# Altium PCB PCB_power.PcbDoc (part 2 of 2)
Units mil, origin at the board's own origin, x right, y up, seen from the top; angles counter-clockwise.
Board outline 3346.46 x 2204.72 mil, 6 copper layers (Top Layer, Layer 1, Layer 2, Layer 3, Layer 4, Bottom Layer), stack 32.112 mil thick; 134 components, 92 nets, 509 pads, 551 vias.
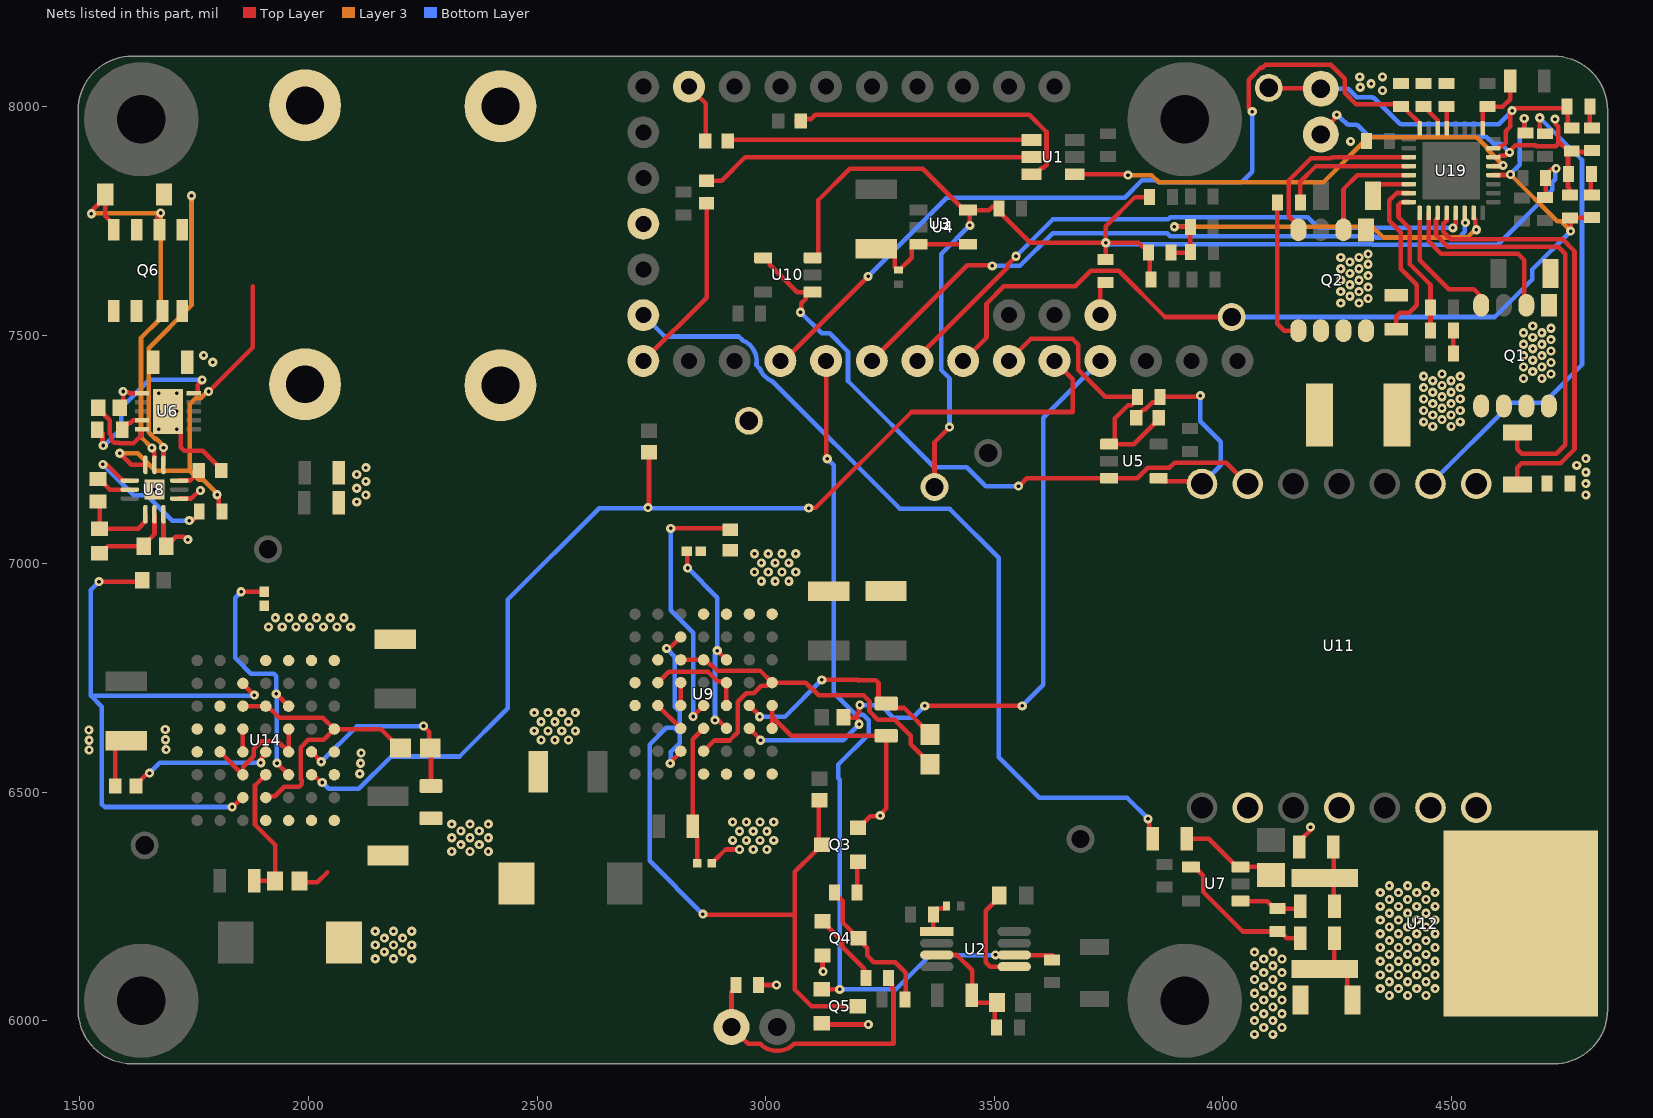
[diagram p6: the nets of this part, all layers, seen from the top]

## Via types
v1: diameter 20, hole 8, Top Layer to Bottom Layer, 475 vias
v2: diameter 20/20/20/20/20/20 (per signal layer), hole 8, Top Layer to Bottom Layer, 60 vias
v3: diameter 35.43, hole 11.81, Top Layer to Bottom Layer, 9 vias
v4: diameter 19.68, hole 7.87, Top Layer to Bottom Layer, 7 vias

## Nets (pads, with @x,y where several pads share a name; then routed paths per layer and width w, separated by ;. In a path a pad name is that pad's centre, name@x,y a point inside that pad or via, vN(x,y) a via of type N, cw(c..) or ccw(c..) an arc to the next point about the centre after c; other vN are vias at no path point) (continued)
IN2n: C6.1 J7.1 R43.1 R44.2 R45.1 U19.6 | length 1074.5
  Top Layer w10: J7.1@4215,7939 J7.1@4232.66,7956.66 ; v1(4249.9,7981.78) J7.1@4233.89,7958.15 ; U19.6@4603.27,7889.61 4605.9,7892.24 4617.63,7892.24 4625.11,7899.71 v1(4627.82,7899.71) ; v1@4625.8,7904.23 4625.97,7904.06 4630,7904.06 4640.94,7915 4685.06,7915 4686.56,7913.5 4729,7913.5 4734.15,7918.65 ; v1(4727.5,7972.5) 4729.41,7970.59 4729.41,7961.14 4734.85,7955.7 4734.85,7919.36 ; 4735.85,7923.15 4754.82,7904.19 C6.1@4754.82,7900.5 ; R45.1@4759.82,7806.5 4759.82,7819.5 4755.82,7823.5 4755.82,7860 4755.82,7899.5 C6.1@4754.82,7900.5 ; R44.2@4807.82,7903.5 4804.82,7900.5 C6.1@4754.82,7900.5 ; J7.1@4232.66,7956.66 ccw(c4225.61,7963.76) J7.1@4233.89,7958.15 ; J7.1@4232.66,7956.66 ccw(c4225.61,7963.76) J7.1@4233.89,7958.15 ; J7.1@4232.66,7956.66 ccw(c4225.61,7963.76) J7.1@4233.89,7958.15 ; J7.1@4232.66,7956.66 ccw(c4225.61,7963.76) J7.1@4233.89,7958.15 ; J7.1@4232.66,7956.66 ccw(c4225.61,7963.76) J7.1@4233.89,7958.15 ; J7.1@4232.66,7956.66 ccw(c4225.61,7963.76) J7.1@4233.89,7958.15 ; J7.1@4232.66,7956.66 ccw(c4225.61,7963.76) J7.1@4233.89,7958.15 ; J7.1@4232.66,7956.66 ccw(c4225.61,7963.76) J7.1@4233.89,7958.15
  Bottom Layer w10: v1(4249.9,7981.78) 4271.8,7962.49 ; v1(4627.82,7899.71) 4609.53,7918 4593,7918 4579.93,7931.07 ; 4271.8,7962.49 ccw(c4278.41,7970) 4278.41,7960 ; 4271.8,7962.49 ccw(c4278.41,7970) 4278.41,7960 ; 4271.8,7962.49 ccw(c4278.41,7970) 4278.41,7960 ; 4271.8,7962.49 ccw(c4278.41,7970) 4278.41,7960 ; 4271.8,7962.49 ccw(c4278.41,7970) 4278.41,7960 ; 4271.8,7962.49 ccw(c4278.41,7970) 4278.41,7960 ; 4271.8,7962.49 ccw(c4278.41,7970) 4278.41,7960 ; 4271.8,7962.49 ccw(c4278.41,7970) 4278.41,7960 ; 4278.41,7960 4290.86,7960 ; 4290.86,7960 cw(c4290.86,7950) 4297.93,7957.07 ; 4290.86,7960 cw(c4290.86,7950) 4297.93,7957.07 ; 4290.86,7960 cw(c4290.86,7950) 4297.93,7957.07 ; 4290.86,7960 cw(c4290.86,7950) 4297.93,7957.07 ; 4290.86,7960 cw(c4290.86,7950) 4297.93,7957.07 ; 4290.86,7960 cw(c4290.86,7950) 4297.93,7957.07 ; 4290.86,7960 cw(c4290.86,7950) 4297.93,7957.07 ; 4290.86,7960 cw(c4290.86,7950) 4297.93,7957.07 ; 4297.93,7957.07 4318.12,7936.88 ; 4318.12,7936.88 ccw(c4325.14,7944) 4325.08,7934 ; 4318.12,7936.88 ccw(c4325.14,7944) 4325.08,7934 ; 4318.12,7936.88 ccw(c4325.14,7944) 4325.08,7934 ; 4318.12,7936.88 ccw(c4325.14,7944) 4325.08,7934 ; 4318.12,7936.88 ccw(c4325.14,7944) 4325.08,7934 ; 4318.12,7936.88 ccw(c4325.14,7944) 4325.08,7934 ; 4318.12,7936.88 ccw(c4325.14,7944) 4325.08,7934 ; 4318.12,7936.88 ccw(c4325.14,7944) 4325.08,7934 ; 4325.08,7934 4572.86,7934 ; 4572.86,7934 cw(c4572.86,7924) 4579.93,7931.07 ; 4572.86,7934 cw(c4572.86,7924) 4579.93,7931.07 ; 4572.86,7934 cw(c4572.86,7924) 4579.93,7931.07 ; 4572.86,7934 cw(c4572.86,7924) 4579.93,7931.07 ; 4572.86,7934 cw(c4572.86,7924) 4579.93,7931.07 ; 4572.86,7934 cw(c4572.86,7924) 4579.93,7931.07 ; 4572.86,7934 cw(c4572.86,7924) 4579.93,7931.07 ; 4572.86,7934 cw(c4572.86,7924) 4579.93,7931.07
IN2p: U1.1 U19.5 | length 1034.6
  Top Layer w10: U1.1@3676.56,7852.11 3790.35,7852.11 3792.46,7850 v1(3793,7850) ; U19.5@4592.52,7869.84 4592.6,7869.92 4612.57,7869.92 v1(4613.88,7871.24)
  Layer 3 w10: v1(3793,7850) 3844.6,7850 3860.16,7834.44 3974.48,7834.44 3974.54,7834.5 4220.71,7834.5 4318.71,7932.5 4556,7932.5 4578.75,7909.75 4578.75,7906.37 v1(4613.88,7871.24)
INTVccLASER: R66.1 U9.C3 U9.C4 U9.D7 U9.G4 | length 916.2
  Top Layer w10: U9.C3@2814.5,6789.5 2868.56,6789.5 2879.35,6778.71 2881.15,6778.71 2893.86,6766 2988,6766 U9.D7@3014.5,6739.5 ; U9.G4@2864.5,6589.5 2888,6613 2921.23,6613 2939.5,6631.27 2939.5,6697.73 2957.77,6716 2974.23,6716 2990.73,6732.5 3003.44,6732.5 3010.44,6739.5 U9.D7@3014.5,6739.5 ; R66.1@3359.5,6560.94 3359.5,6562.83 3317.77,6604.56 3317.77,6623.67 3282.88,6658.57 3245.52,6658.57 3227.41,6676.67 3227.41,6699.2 3215.11,6711.5 3118.12,6711.5 3118,6711.62 3116.03,6711.62 3088.15,6739.5 U9.D7@3014.5,6739.5
INTVccTEC: R60.1 U14.C3 U14.C4 U14.D7 U14.G4 | length 645.8
  Top Layer w10: U14.C3@1856.5,6688 1910.56,6688 1922.06,6676.5 1922.45,6676.5 1935.95,6663 2031.5,6663 U14.D7@2056.5,6638 ; U14.G4@1906.5,6488 1909.37,6490.87 1926.14,6490.87 1946.77,6511.5 1979.77,6511.5 1985.62,6517.36 1985.62,6525.64 1983,6528.27 1983,6597.73 1999.77,6614.5 2033,6614.5 U14.D7@2056.5,6638 ; R60.1@2201.44,6596.5 2199.55,6596.5 2158.05,6638 U14.D7@2056.5,6638
MOSI: R53.1 U3.13 | length 135.1
  Top Layer w10: U3.13@2832.5,8043.5 2869.62,8006.38 2869.62,7926.23 R53.1@2867.89,7924.5
NetC1_1: C1.1 R1.2 U3.23 U5.1 | length 652.7
  Top Layer w10: U3.23@3532.5,7443.5 3580.5,7491.5 3671.64,7491.5 3684,7479.14 3684,7424.12 3743.12,7365 C1.1@3813.5,7365 3818.82,7365 3818.82,7364.82 3800.73,7346.73 3793.06,7346.73 3764.54,7318.22 3764.54,7268.21 3757.73,7261.4 3805.96,7261.4 3860.61,7316.05 R1.2@3860.61,7319
NetC1_2: C1.2 R1.1 U5.4 U11.7 | length 497
  Top Layer w10: R1.1@3811.39,7319 3811.39,7321.95 3825.94,7336.5 3830.06,7336.5 3846.06,7352.5 3857.5,7352.5 C1.2@3870,7365 ; U5.4@3860.13,7186.6 3866.27,7180.46 3948.87,7180.46 U11.7@3955,7174.33 ; C1.2@3863.5,7365 C1.2@3870,7365 ; v1(3951.5,7367.5) 3949,7365 C1.2@3870,7365
  Bottom Layer w10: v1(3951.5,7367.5) 3951.5,7311.5 3996,7267 3996,7215.33 U11.7@3955,7174.33
NetC2_1: C2.1 R4.2 U7.4 | length 324.8
  Top Layer w10: U7.4@3930.87,6336.4 3938.74,6336.4 3958,6317.14 3958,6281.5 4044.5,6195 C2.1@4120,6195 4125.5,6195 4140.5,6180 R4.2@4170,6180
NetC2_2: C2.2 R5.2 U7.1 | length 139.8
  Top Layer w10: U7.1@4039.13,6261.6 4097.9,6261.6 4114.5,6245 C2.2@4120,6245 4165,6245 R5.2@4170,6250
NetC4_2: C4.2 R43.2 | length 53.8
  Top Layer w10: R43.2@4805.82,7860 4805.82,7809 C4.2@4807.82,7807
NetC5_1: C5.1 R44.1 | length 45.4
  Top Layer w10: C5.1@4803.32,7997 4803.32,7958 R44.1@4807.82,7953.5
NetC7_1: C7.1 FB1.1 U4.3 U4.4 | length 269.7
  Top Layer w10: C7.1@3242.5,7689.04 3266.12,7689.04 3282.78,7672.39 3282.78,7648.75 3289.03,7642.5 FB1.1@3291,7642.5 3292.97,7642.5 3319.68,7669.21 3319.68,7691.79 3326.49,7698.6 U4.3@3334.37,7698.6 U4.4@3442.63,7698.6
NetC10_1: C10.1 FB2.1 U2.1 | length 86.4
  Top Layer w10: C10.1@3367,6232 C10.1@3370.26,6232 ; U2.1@3374.82,6194.89 3371.8,6194.89 3367,6199.69 3367,6228.74 C10.1@3370.26,6232 ; FB2.1@3395.75,6251 3395.75,6249.03 3392.88,6246.16 3384.41,6246.16 3382.76,6244.5 3374,6244.5 3373.5,6244 3373.5,6235.24 C10.1@3370.26,6232
NetC11_2: C11.2 Q6.5 Q6.6 R18.2 U6.11 | length 156.6
  Top Layer w10: v4(1712.07,7293.92) 1715.61,7293.92 1720.45,7289.08 1720.45,7254.33 1728.14,7246.65 1768.91,7246.65 1809.11,7206.45 R18.2@1809.11,7203.5
  other v4: 1672.7,7293.92 1672.7,7333.29 1712.07,7333.29 1672.7,7372.66 1712.07,7372.66
NetC16_2: C16.2 R27.2 R28.2 U2.3 | length 265.1
  Top Layer w10: U2.3@3374.82,6143.7 3418.3,6143.7 3451.9,6110.1 3451.9,6039.5 3497.6,6039.5 3501.55,6035.55 3501.55,5988.95 C16.2@3505.5,5985
NetC52_1: C52.1 R35.1 U19.9 | length 150
  Top Layer w10: U19.9@4568.9,7952.52 4568.9,7993 4575.9,8000 4612.8,8000 4629.1,8016.3 R35.1@4629.1,8056
NetC54_2: C54.2 RS1.1 U11.1 U19.28 | length 950.5
  Top Layer w10: U19.28@4490.08,7756.73 4490.08,7750.28 4483,7743.2 4483,7725.8 4499.3,7709.5 4744,7709.5 4770,7683.5 4770,7250 4740,7220 4655,7220 4645,7210 RS1.1@4645,7173
NetC55_2: C55.2 L1.1 U11.14 U19.23 | length 386.6
  Top Layer w10: C55.2@4380,7512.6 4380,7540 4388.79,7548.79 4408.79,7548.79 4425,7565 4425,7610 4390,7645 4390,7725 4365,7750 4365,7795 4380.79,7810.79 U19.23@4407.48,7810.79
  other v1: 4460,7300 4500,7300 4440,7310 4520,7310 4480,7315 4460,7325 4500,7325 4440,7335 4520,7335 4480,7340 4460,7350 4500,7350 4440,7360 4520,7360 4480,7365 4460,7375 4500,7375 4440,7385 4520,7385 4480,7390 4460,7400 4500,7400 4440,7410 4520,7410 4480,7415
NetC56_1: C56.1 R48.2 | length 57.1
  Top Layer w10: C56.1@4505,7460 R48.2@4505,7510 ; R48.2@4505,7515 R48.2@4510,7510
NetC57_1: C57.1 R48.1 U19.24 | length 339.7
  Top Layer w10: U19.24@4396.81,7791.1 U19.24@4407.48,7791.1 4407.4,7791.02 4391.02,7791.02 4385,7785 4385,7757.5 4410,7732.5 4410,7655 4455,7610 C57.1@4455,7560 R48.1@4455,7510
NetC58_2: C58.2 U19.14 | length 60.1
  Top Layer w10: C58.2@4440,8000 4470.47,7969.53 U19.14@4470.47,7952.52
NetC63_2: C63.2 U14.C5 U14.F5 | length 576.1
  Top Layer w10: v1(1852.5,6938.5) 1852.68,6938.68 1902.89,6938.68 C63.2@1903.5,6938.07 ; v1(1929.5,6715) U14.C5@1956.5,6688 1954,6688 U14.C5@1953.5,6688.5 ; v1(1931,6563.5) U14.F5@1956.5,6538
  Bottom Layer w10: v1(1852.5,6938.5) 1839.5,6925.5 1839.5,6793.5 1874,6759 1923.64,6759 1929.5,6753.14 v1(1929.5,6715) 1930.25,6714.25 1930.25,6564.25 v1(1931,6563.5)
NetC64_1: C64.1 R62.1 U14.F4 | length 315.9
  Top Layer w10: C64.1@1880.9,6306 1926.43,6306 R62.1@1926.93,6305.5 1926.93,6384.34 1883,6428.27 1883,6514.5 U14.F4@1906.5,6538 1906.5,6540.5 U14.F4@1911.26,6545.26
NetC67_1: C67.1 R60.2 U14.E6 | length 424.1
  Top Layer w10: U14.E6@2006.5,6588 v1(2028,6566.5) ; v1(2251.5,6644.5) 2264.67,6631.33 2264.67,6598.39 2268,6595.06 C67.1@2268,6513.43
  Bottom Layer w10: v1(2028,6566.5) 2106,6644.5 v1(2251.5,6644.5)
NetC70_1: C70.1 R66.2 U9.E6 | length 510.8
  Top Layer w10: U9.E6@2964.5,6689.5 2987,6667 v1(2987,6665) ; v1(3123,6745.5) 3202.5,6745.5 ; 3202.5,6744.22 3203.13,6744.85 3241.29,6744.85 3247.15,6738.99 3247.15,6703.96 3257.11,6694 C70.1@3264,6694 3273.96,6684.04 3303.41,6684.04 3359.5,6627.95 R66.2@3359.5,6626.06
  Bottom Layer w10: v1(2987,6665) 3042.5,6665 v1(3123,6745.5)
NetC71_2: C71.2 U9.C5 U9.F5 | length 460
  Top Layer w10: C71.2@2827.65,7027 2828.57,7026.07 2828.57,6991.43 v1(2829.5,6990.5) ; v1(2889.5,6657.5) 2896.5,6657.5 U9.F5@2914.5,6639.5 ; v1(2894.5,6809.5) U9.C5@2914.5,6789.5
  Bottom Layer w10: v1(2829.5,6990.5) 2894.5,6925.5 2894.5,6806.79 2889.5,6801.79 v1(2889.5,6657.5)
NetC74_1: C74.1 R70.1 U9.F4 | length 308.9
  Top Layer w10: R70.1@2850.83,6344.5 2850.83,6403.7 2840.85,6413.69 C74.1@2840.85,6425.5 2840.85,6615.85 U9.F4@2864.5,6639.5
NetD1_1: D1.1 Q6.2 Q6.4 U8.11 | length 894.5
  Top Layer w10: v1(1525,7765.5) 1526.91,7767.41 1526.91,7773.18 D1.1@1555.13,7801.4 ; D1.1@1555.13,7807.5 D1.1@1555.13,7801.4 ; Q6.4@1571.35,7733.55 Q6.4@1574,7730.9 1574,7741.73 1555.13,7760.6 D1.1@1555.13,7801.4 ; v1(1657.38,7253.17) 1657.38,7250.46 1662.92,7244.93 U8.11@1662.92,7231.8 ; Q6.2@1674,7730.9 1668.7,7736.21 1668.7,7759.2 v1(1676.5,7767)
  Layer 3 w10: v1(1525,7765.5) 1526.5,7767 v1@1675.64,7767 ; v1(1657.38,7253.17) 1633.5,7277.05 1633.5,7494.11 1676.5,7537.11 v1(1676.5,7767)
NetD1_2: D1.2 Q6.1 Q6.3 U8.10 | length 643.1
  Top Layer w10: U8.10@1682.69,7216.13 1682.69,7229.92 1682.76,7230 1682.72,7230.04 1682.72,7253.7 v1(1682.76,7253.74)
  Layer 3 w10: v1(1682.76,7253.74) 1682.76,7256.44 1678.38,7260.82 1678.38,7261.87 1667.17,7273.08 1664.06,7273.08 1650.14,7287 1650.14,7471.14 1744,7565 v1(1744,7805)
NetJ6_1: J6.1 R8.2 R10.2 | length 616.1
  Top Layer w10: R8.2@2935,6078 2935,6072.5 2925.5,6063 J6.1@2925.5,5986 2959.58,5951.92 2962.51,5948.99 2988.45,5948.99 ccw(c3025.5,5986) 3062.55,5948.99 3280,5948.99 3280,6067.14 3277,6070.14 3277,6080 R10.2@3270,6087
NetL1_2: L1.2 Q2.5 Q2.6 Q2.7 Q2.8 R46.2 | length 317.3
  Top Layer w10: R46.2@4120,7790 4120,7525 4135.23,7509.76 Q2.5@4165.95,7509.76
NetQ1_2: Q1.2 U19.26 | length 389
  Top Layer w10: U19.26@4450.79,7767.48 4450.79,7705.58 4478.87,7677.5 4646.55,7677.5 4659.91,7664.14 4659.91,7569.85 Q1.2@4664.53,7565.24
NetQ1_4: Q1.4 U19.25 | length 270.2
  Top Layer w10: U19.25@4431.1,7767.48 4431.1,7663.9 4495,7600 4550,7600 Q1.4@4565,7585
NetQ1_6,5: Q1.5 Q1.6 Q1.7 Q1.8 RS1.2 U19.27 | length 921
  Top Layer w10: U19.27@4470.39,7756.73 4467,7753.34 4467,7719.17 4492.67,7693.5 4734.5,7693.5 4750,7678 4750,7260 4730,7240 4655,7240 4645,7250 RS1.2@4645,7287 ; RS1.2@4633.24,7285.24 RS1.2@4640,7292
NetQ2_2: Q2.2 U19.21 | length 244.9
  Top Layer w10: Q2.2@4264.53,7730.24 4264.53,7819.53 4295,7850 U19.21@4407.48,7850
NetQ2_4: Q2.4 U19.19 | length 400.4
  Top Layer w10: Q2.4@4165.95,7730.24 4165.95,7739.06 4145,7760 4145,7838.21 4193.42,7886.63 4236.69,7886.63 4239.59,7889.53 U19.19@4407.48,7889.53
NetQ3_1: Q3.1 R30.1 | length 67.9
  Top Layer w10: R30.1@3200.5,6280.5 3201.09,6281.09 3201.09,6346.32 Q3.1@3202.37,6347.6
NetQ3_3: Q3.3 Q5.3 R67.2 U9.B3 U9.G3 | length 1628.4
  Top Layer w10: v1(2783.5,6814.5) 2785.41,6816.41 2791.41,6816.41 U9.B3@2814.5,6839.5 ; v1(2791.5,6563) 2791.5,6564.75 2814.5,6587.75 U9.G3@2814.5,6589.5 ; v1(2863,6233) 2864,6232 3064,6232 ; Q3.3@3116.69,6395 R67.2@3116.69,6471 ; Q3.3@3123.63,6385 3121.66,6385 3110.91,6374.25 3110.91,6372.28 3064,6325.37 3064,6232 ; Q5.3@3201.87,6031.5 3100.5,6031.5 3064,6068 3064,6232
  Bottom Layer w10: v1(2783.5,6814.5) 2801.63,6796.37 2801.63,6686.1 2812.5,6675.23 2812.5,6628.18 ; v1(2791.5,6563) 2793.05,6564.55 2793.05,6588 2812.5,6607.45 2812.5,6628.18 ; v1(2863,6233) 2746.5,6349.5 2746.5,6604.18 2782.8,6640.49 2800.2,6640.49 2812.5,6628.18
NetQ4_1: Q4.1 R10.1 | length 171.1
  Top Layer w10: Q4.1@3124.63,6217.4 3126.6,6217.4 3137.35,6206.65 3137.35,6204.69 3168,6174.03 3168,6162 3216.36,6113.64 3216.36,6090.64 R10.1@3220,6087
NetQ4_3: Q4.3 R9.1 R30.2 | length 332.2
  Top Layer w10: R30.2@3150.5,6280.5 3150.5,6275 3157.5,6268 3162.64,6268 3168.5,6262.14 3168.5,6214.87 3190.65,6192.72 3190.65,6190.75 3201.4,6180 Q4.3@3203.37,6180 ; Q4.3@3205.34,6180 3216.09,6169.25 3216.09,6165.31 3222.5,6158.9 3222.5,6142.5 3237,6128 3284,6128 3307,6105 R9.1@3307,6044
NetR2_1: R2.1 R3.2 U7.3 | length 255.5
  Top Layer w10: R2.1@3921.9,6398 3969.66,6398 4031.26,6336.4 U7.3@4039.13,6336.4 4089.39,6336.4 4098.19,6327.6 4110,6327.6 4114.27,6327.6 4130.59,6326.81 R3.2@4113.09,6324.5
NetR2_2: R2.2 U3.33 | length 2574.3
  Top Layer w10: v1(3837,6441.5) 3837,6440.96 3839.37,6438.59 3839.37,6405.73 R2.2@3847.1,6398
  Bottom Layer w10: U3.33@2732.5,7543.5 2779.13,7496.87 2941.35,7496.87 2948.65,7489.58 2950.05,7488.18 ; 3016.35,7397.42 3014.95,7398.82 ; v1(3837,6441.5) 3791,6487.5 3598.5,6487.5 3510,6576 3510,7012.8 3405.72,7117.07 3402.8,7120 3293.77,7120 3290.85,7122.93 3014.95,7398.82 ; 2950.05,7488.18 cw(c2932.5,7443.5) 2977.18,7461.05 ; 2950.05,7488.18 cw(c2932.5,7443.5) 2977.18,7461.05 ; 2950.05,7488.18 cw(c2932.5,7443.5) 2977.18,7461.05 ; 2950.05,7488.18 cw(c2932.5,7443.5) 2977.18,7461.05 ; 2950.05,7488.18 cw(c2932.5,7443.5) 2977.18,7461.05 ; 2950.05,7488.18 cw(c2932.5,7443.5) 2977.18,7461.05 ; 2950.05,7488.18 cw(c2932.5,7443.5) 2977.18,7461.05 ; 2950.05,7488.18 cw(c2932.5,7443.5) 2977.18,7461.05 ; 2977.18,7461.05 2977.81,7460.41 ccw(c2987.8,7461) 2978.28,7457.92 ; 2978.28,7457.92 cw(c2932.5,7443.5) 2980.21,7438.23 ; 2978.28,7457.92 cw(c2932.5,7443.5) 2980.21,7438.23 ; 2978.28,7457.92 cw(c2932.5,7443.5) 2980.21,7438.23 ; 2978.28,7457.92 cw(c2932.5,7443.5) 2980.21,7438.23 ; 2978.28,7457.92 cw(c2932.5,7443.5) 2980.21,7438.23 ; 2978.28,7457.92 cw(c2932.5,7443.5) 2980.21,7438.23 ; 2978.28,7457.92 cw(c2932.5,7443.5) 2980.21,7438.23 ; 2978.28,7457.92 cw(c2932.5,7443.5) 2980.21,7438.23 ; 2980.21,7438.23 2980.21,7437.71 2980.21,7433.56 2986.42,7427.35 2987.82,7425.95 ; 2987.82,7425.95 ccw(c3032.5,7443.5) 3014.95,7398.82 ; 2987.82,7425.95 ccw(c3032.5,7443.5) 3014.95,7398.82 ; 2987.82,7425.95 ccw(c3032.5,7443.5) 3014.95,7398.82 ; 2987.82,7425.95 ccw(c3032.5,7443.5) 3014.95,7398.82 ; 2987.82,7425.95 ccw(c3032.5,7443.5) 3014.95,7398.82 ; 2987.82,7425.95 ccw(c3032.5,7443.5) 3014.95,7398.82 ; 2987.82,7425.95 ccw(c3032.5,7443.5) 3014.95,7398.82 ; 2987.82,7425.95 ccw(c3032.5,7443.5) 3014.95,7398.82
NetR4_1: R4.1 R7.2 U12.3 | length 173.9
  Top Layer w10: U12.3@4229.49,6115 U12.3@4244.8,6115 ; R4.1@4244.8,6180 U12.3@4244.8,6115 ; R7.2@4284,6045 4272.99,6056.01 4272.99,6099.33 4257.32,6115 U12.3@4244.8,6115
NetR5_1: R5.1 R6.1 U12.1 | length 131
  Top Layer w10: R6.1@4242.4,6380 4243.6,6378.8 4243.6,6315 4243.6,6251.2 R5.1@4244.8,6250
NetR13_1: R13.1 U6.10 | length 378.1
  Top Layer w10: R13.1@1544.52,7290.11 1549.29,7285.33 1549.29,7260.08 v1(1550.88,7258.5) ; U6.10@1749.08,7372.66 1757.42,7372.66 1757.5,7372.74 1757.5,7391.08 1767.23,7400.8 v1(1767.23,7401.93)
  Bottom Layer w10: v1(1550.88,7258.5) 1553.47,7258.5 1589.85,7294.88 1589.85,7339.93 1651.92,7402 1767.16,7402 v1(1767.23,7401.93)
NetR13_2: R13.2 U6.4 | length 53.7
  Top Layer w10: R13.2@1592.88,7292.78 1592.88,7296.72 1601.66,7305.5 1605.6,7305.5 1608.02,7307.92 1611.06,7307.92 1616.75,7313.61 U6.4@1635.69,7313.61
NetR14_2: R14.2 U6.5 | length 166.7
  Top Layer w10: R14.2@1543.38,7335.53 1565.32,7313.59 1565.32,7284.18 1568.1,7281.4 1568.1,7270.51 1574.55,7264.07 1585.43,7264.07 1586.11,7263.39 1617.14,7263.39 1633.53,7279.78 1633.53,7293.84 1633.61,7293.92 U6.5@1635.69,7293.92
NetR15_1: R15.1 R16.2 U8.4 | length 184.1
  Top Layer w10: R15.1@1539,7135.89 1543,7131.89 R16.2@1543,7076.07 1627.11,7076.07 1643.32,7092.28 U8.4@1643.32,7107.87
NetR15_2: R15.2 U8.2 | length 82.9
  Top Layer w10: R15.2@1539,7185.11 1539,7179.2 1547.86,7179.2 1565.06,7162 U8.2@1608.87,7162
NetR16_1: R16.1 R50.2 U8.5 | length 182.6
  Top Layer w10: R16.1@1543,7022.93 1545.95,7022.93 1561.03,7038 R50.2@1639.89,7038 1639.89,7040.95 1663,7064.06 U8.5@1663,7107.87
NetR17_1: R17.1 U2.5 | length 223.9
  Top Layer w10: R17.1@3511.47,6273.5 3511.47,6269.56 3482.07,6240.16 3482.07,6127.9 3491.86,6118.11 U2.5@3544.18,6118.11
NetR18_1: R18.1 U8.9 | length 53.5
  Top Layer w10: U8.9@1717.13,7181.69 1717.21,7181.76 1741.11,7181.76 1759.89,7200.55 R18.1@1759.89,7203.5
NetR34_1: R34.1 U11.2 | length 1061.3
  Top Layer w10: v1(4694,7975.5) 4694,7945 4701,7938 R34.1@4704.5,7938
  Bottom Layer w10: U11.2@4455,7174.33 4632.67,7352 4703.5,7352 4786.5,7435 4786.5,7883 v1@4694.64,7974.86
NetR46_1: R46.1 U19.20 | length 297.2
  Top Layer w10: R46.1@4170,7790 4170,7835.5 4204.34,7869.84 U19.20@4407.48,7869.84
NetR47_2: R47.2 U3.36 | length 96.2
  Top Layer w10: R47.2@3744,7615.5 3739.5,7615.5 3732.5,7608.5 U3.36@3732.5,7543.5 3741.5,7543.5 U3.36@3747,7549
NetR49_2: R49.2 U19.13 | length 50.4
  Top Layer w10: U19.13@4490.16,7952.52 4490.16,7993 R49.2@4497.16,8000
NetR51_1: R51.1 U8.1 | length 347.2
  Top Layer w10: v1(1550,7217) 1557.96,7217 1593.2,7181.76 1600,7181.76 1600.08,7181.69 U8.1@1608.87,7181.69 ; v1(1739,7094) 1740.91,7095.91 1747.91,7095.91 1761,7109 R51.1@1761,7114.5
  Bottom Layer w10: v1(1550,7217) 1617.5,7149.5 1646.02,7149.5 1701.52,7094 v1(1739,7094)
NetR53_2: R53.2 U1.4 | length 666
  Top Layer w10: R53.2@2917.11,7924.5 2919.52,7926.91 U1.4@3582.07,7926.91
NetR54_2: R54.2 U1.6 | length 684.8
  Top Layer w10: R54.2@3067.26,7968.5 3071.12,7964.64 3079.2,7972.72 3100.03,7972.72 3109.1,7981.8 3577.19,7981.8 3614.72,7944.26 3614.72,7872.16 3608.28,7865.71 3604.53,7865.71 3590.93,7852.11 U1.6@3582.07,7852.11
NetR55_2: R55.2 U3.18 U19.16 | length 1890.4
  Top Layer w10: U3.18@3023.5,7443.5 U3.18@3032.5,7443.5 3039.5,7443.5 v1(3224.5,7628.5) ; v1(4065,7989) 4057.49,7996.51 4057.49,8059.02 4082.98,8084.51 4087.01,8084.51 4093.87,8091.37 4236.69,8091.37 4267.37,8060.69 4267.37,8030.13 4292.88,8004.62 4385.38,8004.62 R55.2@4390,8000 4395.5,8000 4402.5,7993 4402.5,7991.79 4431.1,7963.19 U19.16@4431.1,7952.52
  Bottom Layer w10: v1(3224.5,7628.5) 3396.5,7800.5 3785.79,7800.5 3823.73,7838.44 3856.16,7838.44 3860.16,7834.44 4042.04,7834.44 4065,7857.41 v1(4065,7989)
NetR57_2: R57.2 U1.5 | length 732.6
  Top Layer w10: R57.2@2871,7837.61 2904.11,7837.61 2956.01,7889.51 U1.5@3582.07,7889.51
NetR61_2: R61.2 U14.B3 U14.G3 | length 1313
  Top Layer w10: v1(1541.5,6960.5) R61.2@1636.38,6960.5 ; v1(1833,6467.5) 1834.5,6467.5 1855,6488 U14.G3@1856.5,6488 ; U14.B3@1856.5,6738 1856.5,6737.25 v2(1881.5,6712.25)
  Bottom Layer w10: v1(1541.5,6960.5) 1541.5,6960.14 1524,6942.64 1524,6710.5 ; v1(1833,6467.5) 1553.86,6467.5 1548,6473.36 1548,6686.5 1524,6710.5 ; v2(1881.5,6712.25) 1879.75,6710.5 1528,6710.5 1524,6710.5
NetR64_1: R64.1 U14.E4 | length 323
  Top Layer w10: R64.1@1622.64,6513.5 1622.64,6516.45 1647.69,6541.5 v1(1652,6541.5) ; v2(1895.75,6564.37) 1897.66,6566.28 1897.66,6575.1 1906.5,6583.94 U14.E4@1906.5,6588
  Bottom Layer w10: v1@1652.68,6542.18 1674.87,6564.37 v2(1895.75,6564.37)
NetR65_1: R65.1 U3.24 U14.F6 | length 2408.3
  Top Layer w10: U14.F6@2006.5,6538 2010.29,6538 2027.29,6521 v1(2030,6521) ; v1@2745,7123 R65.1@2745,7243.38 ; v1(3094.42,7121.29) 3094.91,7121.78 3109.28,7121.78 3319.25,7331.75 3672.28,7331.75 3672.28,7403.72 U3.24@3632.5,7443.5
  Bottom Layer w10: v1(2030,6521) 2044,6507 2110.05,6507 2181.05,6578 2330.5,6578 2436,6683.5 2436,6921.5 2635.79,7121.29 2743,7121.29 v1(3094.42,7121.29)
  other v1: 2743,7122.5
NetR68_1: R68.1 U9.E4 | length 595.8
  Top Layer w10: v1(2792.5,7077) R68.1@2923,7077 ; v1(2841.5,6665.5) 2841.5,6666.5 U9.E4@2864.5,6689.5
  Bottom Layer w10: v1(2792.5,7077) 2792.5,6897.6 2841.5,6848.6 v1(2841.5,6665.5)
NetR69_1: R69.1 U3.25 U9.F6 | length 1545.6
  Top Layer w10: U9.F6@2964.5,6639.5 2989,6615 v1(2989,6613.5) ; R69.1@3170.5,6662.5 3199.25,6662.5 ; v1(3204.72,6648.5) 3202.8,6650.41 3202.8,6658.95 3199.25,6662.5 ; v1(3206.41,6690.5) 3204.5,6688.59 3204.5,6674.75 3199.25,6669.5 3199.25,6662.5 ; v1(3348.25,6688.75) v1(3561.75,6688.75)
  Bottom Layer w10: v1(2989,6613.5) 3169.72,6613.5 v1(3204.72,6648.5) ; v1(3206.41,6690.5) 3251.56,6690.5 3279.56,6662.5 3322,6662.5 v1(3348.25,6688.75) ; v1(3561.75,6688.75) 3608,6735 3608,7319 U3.25@3732.5,7443.5
NetU3_20: U3.20 U19.30 | length 1443.5
  Top Layer w10: U3.20@3232.5,7443.5 3441.5,7652.5 3495,7652.5 v1(3496,7651.5)
  Bottom Layer w10: v1(3496,7651.5) 3556.75,7651.5 3628.25,7723 3878.8,7723 3885.8,7716 4332.41,7716 4334.91,7713.5 4517.2,7713.5 4529.5,7725.8 4529.5,7744.31 v1(4531.19,7746)
NetU3_21: U3.21 U19.29 | length 1359.8
  Top Layer w10: U3.21@3332.5,7443.5 3337,7443.5 3351.5,7458 3348.62,7460.88 3348.62,7466.58 3530.08,7648.04 3530.08,7654.53 v1(3548.05,7672.5) ; v1(4504,7734.5) 4504,7737.21 4509.76,7742.97 4509.76,7767.4 U19.29@4509.84,7767.48
  Bottom Layer w10: v1(3548.05,7672.5) 3628.55,7753 3880.8,7753 3885.8,7758 4185.96,7758 4209.46,7734.5 v1(4504,7734.5)
NetU5_3: U5.3 U10.1 U10.4 U11.6 | length 1409.9
  Top Layer w10: U10.4@2994.87,7668.9 3002.74,7668.9 3009.55,7662.09 3009.55,7654.22 3069.67,7594.1 U10.1@3095.26,7594.1 ; v1(3076.5,7550) 3078.41,7551.91 3078.41,7569.38 3088.45,7579.41 3088.45,7587.29 U10.1@3095.26,7594.1 ; U10.1@3103.13,7594.1 U10.1@3095.26,7594.1 ; v1(3553.5,7169.5) 3554.66,7169.5 3571.76,7186.6 U5.3@3751.87,7186.6 3813.47,7186.6 3836.28,7209.41 3883.2,7209.41 3894.79,7221 4008.33,7221 U11.6@4055,7174.33
  Bottom Layer w10: v1(3076.5,7550) 3122.77,7503.73 3140.15,7503.73 3180.5,7463.38 3180.5,7399.5 3368.93,7211.07 3440.43,7211.07 3482,7169.5 v1(3553.5,7169.5)
NetU9_D3: U9.D3 U9.E3 | length 50
  Top Layer w10: U9.E3@2814.5,6689.5 U9.D3@2814.5,6739.5
NetU11_9: U11.9 U11.11 U12.2 | length 21.1
  Top Layer w10: U12.2@4635,6215 U12.2@4635,6236.06
  other v1: 4365,6055 4405,6055 4445,6055 4345,6070 4385,6070 4425,6070 4465,6070 4365,6085 4405,6085 4445,6085 4345,6100 4385,6100 4425,6100 4465,6100 4365,6115 4405,6115 4445,6115 4345,6130 4385,6130 4425,6130 4465,6130 4365,6145 4405,6145 4445,6145 4345,6160 4385,6160 4425,6160 4465,6160 4365,6175 4405,6175 4445,6175 4345,6190 4385,6190 4425,6190 4465,6190 4365,6205 4405,6205 4445,6205 4345,6220 4385,6220 4425,6220 4465,6220 4365,6235 4405,6235 4445,6235 4345,6250 4385,6250 4425,6250 4465,6250 4365,6265 4405,6265 4445,6265 4345,6280 4385,6280 4425,6280 4465,6280 4365,6295 4405,6295 4445,6295
NetU14_D3: U14.D3 U14.E3 | length 50
  Top Layer w10: U14.E3@1856.5,6588 U14.D3@1856.5,6638
OUT1: C4.1 R12.1 R45.2 TPO1.1 U3.22 U19.4 | length 2054.6
  Top Layer w10: U3.22@3432.5,7443.5 3483.5,7494.5 3483.5,7568.5 3521.5,7606.5 3677.75,7606.5 3711.75,7640.5 3773,7640.5 3874,7539.5 TPO1.1@4020,7539.5 ; U19.4@4592.52,7850.16 4592.6,7850.24 4628.76,7850.24 v1(4630,7851.47) ; R12.1@4657.5,7939.5 4660,7942 v1(4660,7974) ; R45.2@4759.82,7756.5 R45.2@4761.5,7756.5 ; v1(4761.5,7727.5) R45.2@4761.5,7756.5 ; C4.1@4807.32,7756.5 4769.07,7756.5 R45.2@4761.5,7756.5
  Layer 3 w10: v1(4630,7851.47) 4732.56,7748.91 4740.49,7748.91 4761.5,7727.9 v1(4761.5,7727.5)
  Bottom Layer w10: TPO1.1@4020,7539.5 4595.5,7539.5 4677.54,7621.54 4677.54,7643.54 v1(4761.5,7727.5) ; v1(4630,7851.47) 4630,7852.83 4650,7872.83 4650,7938.98 4660,7948.98 v1(4660,7974)
OUT2: C5.2 C6.2 J7.2 TPO2.1 U19.7 | length 918.3
  Top Layer w10: TPO2.1@4101,8041 4102,8040 4214,8040 J7.2@4215,8039 ; U19.7@4603.27,7909.29 4606.95,7912.98 4611.38,7912.98 4619.27,7920.86 4619.27,7946.32 4629,7956.06 4629,7986.5 v1(4633.62,7991.12) 4634,7991.5 4636.71,7991.5 4641.71,7996.5 4749.81,7996.5 4754.82,7991.5 C6.2@4754.82,7950.5
  Bottom Layer w10: J7.2@4215,8039 4274.79,8039 4293.79,8020 4325.86,8020 ; v1(4633.62,7991.12) 4604,7961.5 4392.6,7961.5 ; 4325.86,8020 cw(c4325.86,8010) 4332.88,8017.12 ; 4325.86,8020 cw(c4325.86,8010) 4332.88,8017.12 ; 4325.86,8020 cw(c4325.86,8010) 4332.88,8017.12 ; 4325.86,8020 cw(c4325.86,8010) 4332.88,8017.12 ; 4332.89,8017.11 4385.61,7964.39 ; 4385.61,7964.39 ccw(c4392.64,7971.5) 4392.6,7961.5 ; 4385.61,7964.39 ccw(c4392.64,7971.5) 4392.6,7961.5 ; 4385.61,7964.39 ccw(c4392.64,7971.5) 4392.6,7961.5 ; 4385.61,7964.39 ccw(c4392.64,7971.5) 4392.6,7961.5 ; 4385.61,7964.39 ccw(c4392.64,7971.5) 4392.6,7961.5 ; 4385.61,7964.39 ccw(c4392.64,7971.5) 4392.6,7961.5 ; 4385.61,7964.39 ccw(c4392.64,7971.5) 4392.6,7961.5 ; 4385.61,7964.39 ccw(c4392.64,7971.5) 4392.6,7961.5
OVC: Q5.1 R26.2 U2.6 U3.19 | length 1988.1
  Top Layer w10: Q5.1@3123.13,6068.9 3123.53,6068.5 v1(3162.5,6068.5) ; U3.19@3132.5,7443.5 3132.5,7232.54 3135,7230.04 v1(3135,7229.5) ; v1(3503.07,6143.85) 3503.14,6143.78 3544.11,6143.78 3545.28,6142.6 R26.2@3627.9,6142.6
  Bottom Layer w10: v1(3135,7229.5) 3149.5,7215 3149.5,6717.71 3197.71,6669.5 3213.41,6669.5 3225.72,6657.2 3225.72,6626.71 3159.5,6560.49 3159.5,6530 3162.5,6527 v1(3162.5,6068.5) 3285.5,6068.5 3360.5,6143.5 3502.72,6143.5 v1(3503.07,6143.85)
PGND: C9.1 C11.1 C12.1 C13.1 C17.1 C18.1 C51.2 C54.1 C55.1 C58.1 C59.1 C60.1 C61.1 C63.1 C67.2 C68.1 C69.1 C70.2 C71.1 C72.1 C73.1 J2.1 Q1.1 Q2.1 Q3.2 Q4.2 Q5.2 R6.2 R7.1 R8.1 R14.1 R49.1 R50.1 R55.1 R62.2 R64.2 R68.2 R70.2 TP_PGND.1 U3.31 U6.1 U8.6 U8.7 U8.13 U9.A4 U9.A5 U9.A6 U9.A7 U9.C2 U9.D1 U9.D2 U9.D5 U9.E1 U9.E2 U9.E5 U9.E7 U9.F3 U9.F7 U9.H4 U9.H5 U9.H6 U9.H7 U11.13 U14.A4 U14.A5 U14.A6 U14.A7 U14.C2 U14.D1 U14.D2 U14.D5 U14.E1 U14.E2 U14.E5 U14.E7 U14.F3 U14.F7 U14.H4 U14.H5 U14.H6 U14.H7 U19.22 | length 1979.1
  Top Layer w10: R64.2@1577.36,6513.5 1581.3,6513.5 1577.36,6517.44 1577.36,6595.89 1594.02,6612.54 C18.1@1601,6612.54 ; C18.1@1577.36,6613.32 C18.1@1577.5,6613.46 ; R14.1@1595.7,7340.11 1594.5,7341.3 v1(1594.5,7376.5) 1596.41,7374.59 1605.5,7374.59 1607.18,7372.9 1618.94,7372.9 ; U8.6@1682.69,7107.87 1682.69,7051.7 1691.27,7043.12 1692.75,7041.64 R50.1@1696.39,7038 ; R50.1@1696.98,7038 R50.1@1696.39,7038 ; U8.7@1717.13,7142.31 1717.21,7142.39 1743.84,7142.39 1761.44,7160 v1(1763.5,7160) ; v1(1736,7052.5) 1733.29,7052.5 1727.29,7058.5 1709.61,7058.5 1702.81,7051.7 1699.85,7051.7 1689.11,7040.95 R50.1@1689.11,7038 R50.1@1696.39,7038 ; U14.E2@1806.5,6588 U14.F3@1856.5,6538 1857.56,6539.06 1857.56,6555.83 1880,6578.27 1880,6594.73 1896.77,6611.5 1933,6611.5 U14.E5@1956.5,6588 U14.D5@1956.5,6638 ; R62.2@1980.08,6305.5 1980.08,6302.55 2019.55,6302.55 2041.5,6324.5 ; U9.E2@2764.5,6689.5 U9.F3@2814.5,6639.5 ; U9.D2@2764.5,6739.5 2788,6763 2874.23,6763 2894.86,6742.37 2911.63,6742.37 U9.D5@2914.5,6739.5 U9.E5@2914.5,6689.5 ; R70.2@2882.5,6344.5 2882.5,6344.58 2886.72,6348.8 2886.8,6348.8 2912.5,6374.5 v1(2943,6374.5) ; R8.1@2985,6078 2985.1,6077.9 v1(3023.9,6077.9) ; U9.F7@3014.5,6639.5 3014.5,6664.5 ; U9.E7@3014.5,6689.5 3014.5,6664.5 ; Q5.2@3123.13,5994.1 3125.73,5991.5 v1(3225,5991.5) ; Q4.2@3124.63,6142.6 3124.63,6108.87 v1(3126,6107.5) ; Q3.2@3202.47,6422.5 Q3.2@3202.37,6422.4 3204.34,6422.4 3229.44,6447.5 3250,6447.5 v1(3251,6448.5) ; v1@3252,6447.5 3252,6452.21 3264,6464.21 C70.2@3264,6623.53 ; C70.2@3259.14,6622.98 3056.02,6622.98 3014.5,6664.5 ; R6.2@4167.6,6380 4173.5,6380 4173.5,6397.71 4192.5,6416.71 v1(4192.5,6423.5) ; C59.1@4329,7805 4329,7817.97 4341.5,7830.47 U19.22@4407.48,7830.47
  other v1: 4070,5970 4110,5970 4090,5985 4130,5985 4070,6000 4110,6000 4090,6015 4130,6015 4070,6030 4110,6030 4090,6045 4130,6045 4070,6060 4110,6060 4090,6075 4130,6075 4070,6090 4110,6090 4090,6105 4130,6105 4070,6120 4110,6120 4090,6135 4130,6135 4070,6150 4110,6150 2973,6374.5 3003,6374.5 2928,6394.5 2958,6394.5 2988,6394.5 3018,6394.5 2943,6414.5 2973,6414.5 3003,6414.5 2928,6434.5 2958,6434.5 2988,6434.5 3018,6434.5 1520,6592 1688.5,6593 1520,6613.5 1687,6614.5 2509,6614 2539,6614 2569,6614 2494,6634 2524,6634 2554,6634 2584,6634 1519.5,6636 1686.5,6637 2509,6654 2539,6654 2569,6654 2494,6674 2524,6674 2554,6674 2584,6674 1912.5,6861.5 1942.5,6861.5 1972.5,6861.5 2002.5,6861.5 2032.5,6861.5 2062.5,6861.5 2092.5,6861.5 1927.5,6881.5 1957.5,6881.5 1987.5,6881.5 2017.5,6881.5 2047.5,6881.5 2077.5,6881.5 2991,6961.5 3021,6961.5 3051,6961.5 2976,6981.5 3006,6981.5 3036,6981.5 3066,6981.5 2991,7001.5 3021,7001.5 3051,7001.5 2976,7021.5 3006,7021.5 3036,7021.5 3066,7021.5 2105.5,7135 2125.5,7150 4795,7150 2105.5,7165 4795,7175 2125.5,7180 2105.5,7195 4795,7200 2125.5,7210 4775,7215 4795,7230 4658.58,7405 4698.58,7405 4718.58,7415 4678.58,7420 4658.58,7430 4698.58,7430 4718.58,7440 1790.48,7440.66 4678.58,7445 4658.58,7455 4698.58,7455 1770.48,7455.66 4718.58,7465 4678.58,7470 4658.58,7480 4698.58,7480 4718.58,7490 4678.58,7495 4658.58,7505 4698.58,7505 4718.58,7515 4678.58,7520 4258.58,7570 4298.58,7570 4318.58,7580 4278.58,7585 4258.58,7595 4298.58,7595 4318.58,7605 4278.58,7610 4258.58,7620 4298.58,7620 4318.58,7630 4278.58,7635 4258.58,7645 4298.58,7645 4318.58,7655 4278.58,7660 4258.58,7670 4298.58,7670 4318.58,7677.5 4280.26,7923.74 4350,8035 4301.24,8042.24 4325,8050 4300,8065 4350,8065
  other v2: 2146,6135.5 2186,6135.5 2226,6135.5 2166,6150.5 2206,6150.5 2146,6165.5 2186,6165.5 2226,6165.5 2166,6180.5 2206,6180.5 2146,6195.5 2186,6195.5 2226,6195.5 2313.5,6370 2353.5,6370 2393.5,6370 2333.5,6385 2373.5,6385 2313.5,6400 2353.5,6400 2393.5,6400 2333.5,6415 2373.5,6415 2313.5,6430 2353.5,6430 2393.5,6430 2112,6540.2 2114.13,6563.07 2115.13,6585.57
  other v4: 1663,7162
SCK: R57.1 U3.15 | length 412.1
  Top Layer w10: U3.15@2732.5,7443.5 2871,7582 R57.1@2871,7798.24
VIN: J1.1 Q6.7 Q6.8 R51.2 U8.12 | length 827.8
  Top Layer w10: v1(1587,7241.5) 1612.37,7216.13 U8.12@1643.32,7216.13 ; v1(1781.5,7376.5) 1878.5,7473.5 1878.5,7606.23 ; v1(1800,7150.5) 1800,7147.79 1804,7143.79 1804,7127 1811,7120 R51.2@1811,7114.5
  Layer 3 w10: v1(1587,7241.5) 1626.35,7241.5 1664.85,7203 1740.5,7203 ; v1(1781.5,7376.5) 1778.79,7376.5 1764.22,7361.93 1753.64,7361.93 1740.5,7348.79 1740.5,7203 ; v1(1800,7150.5) 1800,7153.2 1769.64,7183.56 1759.94,7183.56 1740.5,7203
Vlim: C53.1 R36.1 R37.2 U19.31 | length 839.6
  Top Layer w10: R36.1@3887.5,7680.5 3929,7680.5 C53.1@3930,7681.5 3929.75,7681.75 3929.75,7736.25 3929,7737 v1(3894.5,7737) ; U19.31@4549.29,7756.73 4552.98,7753.05 4552.98,7735.48 4555.25,7733.21 v1(4555.25,7730.5)
  Layer 3 w10: v1(3894.5,7737) 4327.81,7737 4351.31,7713.5 4535.54,7713.5 4552.54,7730.5 v1(4555.25,7730.5)
VREF_2.5: C8.1 R11.2 R32.2 R36.2 R38.2 R40.2 R47.1 TPO_VREF.1 U4.5 U10.3 | length 3029
  Top Layer w10: U10.3@3103.13,7668.9 3109,7668.9 3115.81,7675.71 3115.81,7795.51 3184.3,7864 3344.16,7864 3434.76,7773.4 U4.5@3442.63,7773.4 U4.5@3449.5,7773.4 ; TPO_VREF.1@3369.71,7167.56 3369.71,7265.71 v1(3402.5,7298.5) ; v1(3447,7740) 3447,7770.9 U4.5@3449.5,7773.4 ; C8.1@3506,7781 3496.5,7781 3488.9,7773.4 U4.5@3449.5,7773.4 ; C8.1@3510.5,7782 C8.1@3510.5,7776.5 3510.5,7771 3579.5,7702 v1(3744.5,7702) ; R47.1@3744,7665.5 3744.5,7666 v1(3744.5,7702) ; R38.2@3840,7802.5 3839.5,7802 3808.5,7802 3744.5,7738 v1(3744.5,7702) ; R40.2@3843.31,7621.83 3840.4,7624.73 3840.4,7677.6 R36.2@3837.5,7680.5 3837.5,7686 3830.5,7693 3825,7693 3816,7702 v1(3744.5,7702) ; R32.2@4704,7808.5 4707,7811.5 4707,7849.5 4719.97,7862.47 4727.9,7862.47 v1(4729.82,7864.38)
  Bottom Layer w10: v1(3402.5,7298.5) 3402.5,7405.62 3384.5,7423.62 3384.5,7677.5 v1(3447,7740) ; v1(3744.5,7702) v1@3749.95,7696.55 ; 3755.07,7698.5 4327.28,7698.5 4328.28,7697.5 4601.71,7697.5 4721.62,7817.4 4721.62,7833.82 4721.68,7834.37 4727.9,7840.59 4727.9,7862.47 v1(4729.82,7864.38)
pads on no net: U3.5 U3.6 U3.7 U3.8 U3.9 U3.10 U3.11 U3.14 U3.16 U3.17 U3.28 U3.29 U3.32 U3.34 U3.35 U4.1 U6.2 U6.3 U8.3 U8.8 U9.A3 U9.B4 U9.C6 U9.D4 U9.D6 U9.H3 U11.3 U11.4 U11.8 U11.12 U14.A3 U14.B4 U14.C6 U14.D4 U14.D6 U14.H3 U19.8 U19.10 U19.11 U19.15

## Polygon pours and split planes (outlines as drawn)
5V on Layer 2 "5V_L03_P453" (solid, pour order 453): 1787.59,6153 1732.5,6153 1511.09,6279.23 1511.09,7590.5 2726.18,7590.5 3207.59,8071.91 4799,8071.91 4825.5,7401.41 3471.09,7400.41 3471.09,6938.91 2291.09,6938.91 2252.59,6977.41 2252.59,7269.91 1793.09,7269.91 1787.59,7275.41 1787.59,6202.91
12V on Layer 2 "12V_L03_P406" (solid, pour order 406): 3595,7165 3495,7165 3495,6930 2096.12,6930 2097.25,7248 1819.07,7248 1840.38,6474.32 2968.04,6461.27 2976.8,5924.93 3605,5924.93 3605,6500 3595,6500
2V2R on Layer 2 "2V2R_L03_P409" (solid, pour order 409): 3560,6320 3560,6185 3560,6125 3795,6125 3870,6200 4110,6200 4195,6285 4195,6485 4175,6505 3620,6505 3620,6320
3V3 on Layer 2 "3V3_L03_P405" (solid, pour order 405): 3796.5,7486.5 3641.5,7300.5 3641.5,7161.5 3649.55,7153.45 4027.79,7153.45 4025,7156.25 4025,7325 3960,7390 3934.5,7390 3884.5,7440 3884.5,7471 3869,7486.5
12V on Top Layer "12V_L01_P444" (solid, pour order 444): 2894.5,6855.5 2894.5,6817 2999.5,6817 3000,6817.5 3000,6769 3457.5,6769 3457.5,6850.37
5V on Top Layer "5V_L01_P427" (solid, pour order 427): 1778.44,6563.94 1778.44,6514.74 1817.42,6514.24 1815.92,6231.12 1899.04,6225.76 1896.5,6103.5 1785,6105 1673.5,6200.5 1673.5,6563.5
PGND on Top Layer "PGND_L01_P433" (solid, pour order 433): 1826.51,6700.32 1786.32,6700.32 1784,6698 1784,6652 1539.5,6652 1510,6652 1510,6575.5 1827.5,6575.5
12V on Top Layer "12V_L01_P419" (solid, pour order 419): 1706.5,7366 1707,7365.5 1707,7270 1780.69,7196.31 1827.25,7150.75 1952.25,7150.06 1952.75,7105 2013.5,7105 2013.5,7281.5 1916.5,7281.5 1832.5,7365.5 1826.5,7365.5
NetD1_2 on Top Layer "NETD1_2_L01_P416" (solid, pour order 416): 1758.26,7690.5 1758.26,7810.15 1748,7820.4 1594,7820.4 1594,7692.9 1656.9,7692.9 1656.9,7778.9 1696,7778.9 1696,7690.5
2V2 on Top Layer "2V2_L01_P457" (solid, pour order 457): 3663,6081 3664,6080 3775,6080 3781,6074 3781,5929.5 3780,5928.5 3639,5928.5 3633,5934.5 3633,6011 3662.5,6040.5 3662.5,6081
2V2R on Top Layer "2V2R_L01_P456" (solid, pour order 456): 3719.5,6134.03 3719.97,6134.5 3767.5,6134.5 3796,6163 3796,6293.5 3787.5,6302 3655.5,6302 3637,6283.5 3637,6201.5 3704.47,6134.03
12V on Top Layer "12V_L01_P435" (solid, pour order 435): 1945.5,6753.45 2311.5,6753.45 2311.5,6664.45 2049,6664.45 2039.5,6673.95 2039.5,6714.95 1949.5,6714.95 1946,6718.45
PGND on Top Layer "PGND_L01_P448" (solid, pour order 448): 3034.5,6555.5 3033.5,6554.5 2852,6554.5 2852,6517 2852,6508.5 2852,6506.5 2879.5,6505.5 2879.5,6400 2961,6318.5 3036,6318.5
PGND on Top Layer "PGND_L01_P446" (solid, pour order 446): 2788.5,6674 2786.12,6671.62 2615.5,6671.62 2615.5,6613 2497.79,6495.29 2479,6495.29 2479,6740 2479,6749.5 2747.5,6755.5 2747.5,6803.5 2749,6805 2751,6803 2785.5,6803
2V2 on Top Layer "2V2_L01_P440" (solid, pour order 440): 2783.5,6814.5 2737,6814.5 2737,6762 2481.5,6762 2482,6762.5 2482,6985.5 2781,6985.5 2781.5,6985
PGND on Top Layer "PGND_L01_P428" (solid, pour order 428): 1889.97,6460.5 2226.5,6460.5 2230.5,6456.5 2516.5,6456.5 2516.5,6071 2025.5,6071 2025.5,6411.5 1890.6,6411.5
5V on Top Layer "5V_L01_P426" (solid, pour order 426): 1831,6871 1831,6711 1779,6711 1779,6666.5 1540,6666.5 1536,6670.5 1536,6871
PGND on Top Layer "PGND_L01_P441" (solid, pour order 441): 3033.37,6868.97 3032.84,6869.5 2851,6869.5 2851,7042.82 2848.81,7045.01 2849.3,7045.5 3347,7045.5 3347,6869 3347.5,6868.5
2V2 on Top Layer "2V2_L01_P439" (solid, pour order 439): 2733,6658 2734.5,6610 2775,6608.5 2775,6229 2642.5,6229 2642.5,6658
12V on Top Layer "12V_L01_P445" (solid, pour order 445): 2898,6611.14 3249.5,6605.5 3248.5,6504.5 3080.5,6504.5 3068,6517 3068,6562.5 2898,6562.5
12V on Top Layer "12V_L01_P436" (solid, pour order 436): 1939.5,6503 2152.96,6502.25 2152,6560.21 2221.5,6560.21 2221.5,6467.5 1939.5,6467.5
PGND on Top Layer "PGND_L01_P425" (solid, pour order 425): 1888,6771.5 1887,6772.5 1887,6915.5 2261,6915.5 2261,6771.96
PGND on Top Layer "PGND_L01_P420" (solid, pour order 420): 1715.88,7407.71 1800.48,7407.71 1800.48,7467.71 1718.88,7467.71 1716.88,7465.71
PGND on Top Layer "PGND_L01_P431" (solid, pour order 431): 2039,6606.5 2039,6521 2121.5,6521 2138.5,6521 2138.5,6605.9
5V on Top Layer "5V_L01_P432" (solid, pour order 432): 2086.5,6571.5 2085,6570 2073,6570
PGND on Top Layer "PGND_L01_P378" (solid, pour order 378): 2260,7081 2039,7081 2039,7245 2260,7245 2260,7095
NetC11_2 on Top Layer "NETC11_2_L01_P418" (solid, pour order 418): 1523,7681 1523,7399.11 1656.08,7399.11 1656.08,7280.5 1725.93,7280.5 1722.17,7457.11 1648,7457.11 1646,7679
VIN on Top Layer "VIN_L01_P417" (solid, pour order 417): 2493.5,8070.5 2483,8081 2177,8081 1776,7680 1720.5,7680 1718.5,7678 1661.41,7678 1661.41,7483.34 1790.34,7483.34 1865,7558 1997.5,7558 2260.5,7295 2488.5,7295
AGND on Top Layer "AGND_L01_P415" (solid, pour order 415): 4549,7980 4520,7980 4516,7984 4516,8080 4517,8079 4599.5,8079 4603,8075.5 4603,8033.5 4595.67,8026.17 4549.21,8026.17
PGND on Top Layer "PGND_L01_P382" (solid, pour order 382): 4735,7666.5 4735,7390 4730,7385 4655,7385 4650,7385 4645,7390 4645,7525 4650,7530 4685,7530 4695,7540 4695,7666.5
PGND on Top Layer "PGND_L01_P390" (solid, pour order 390): 4785,7240 4805,7240 4805,7135 4740,7135 4740,7200 4745,7200
PGND on Top Layer "PGND_L01_P389" (solid, pour order 389): 4295,8075 4504.03,8075 4509.03,8069.11 4509.03,8030.89 4504.03,8025 4295,8025 4290,8030 4290,8070
PGND on Top Layer "PGND_L01_P400" (solid, pour order 400): 4330,7945 4330,7905 4270,7905 4270,7945
PGND on Top Layer "PGND_L01_P398" (solid, pour order 398): 4190,6080 4140,6080 4140,6165 4060,6165 4060,5945 4190,5945
NetU11_9 on Top Layer "NETU11_9_L01_P396" (solid, pour order 396): 4335,6025 4325,6035 4325,6350 4255,6420 4240,6420 4215,6445 4215,6485 4235,6505 4280,6505 4310,6475 4310,6450 4355,6405 4800,6405 4805,6400 4805,6030 4800,6025
NetR4_1 on Top Layer "NETR4_1_L01_P397" (solid, pour order 397): 4260,6140 4260,6210 4230,6210 4230,6140 4150,6140 4150,6090 4200,6090 4200,6015 4315,6015 4315,6140
NetC54_2 on Top Layer "NETC54_2_L01_P388" (solid, pour order 388): 4605,7200 4590,7215 4540,7215 4515,7190 4515,7155 4535,7135 4730,7135 4730,7200
5V on Top Layer "5V_L01_P387" (solid, pour order 387): 4395,7905 4395,7955 4355,7995 4315,7995 4295,7975 4295,7960 4300,7955 4335,7955 4340,7950 4340,7905
5V on Top Layer "5V_L01_P386" (solid, pour order 386): 4781.5,8031 4661.5,8031 4661.5,8091 4750.5,8091 4781.5,8060
5V on Top Layer "5V_L01_P383" (solid, pour order 383): 4636.42,7666.5 4636.42,7390 4631.42,7385 4556.42,7385 4551.42,7385 4546.42,7390 4546.42,7525 4551.42,7530 4586.42,7530 4596.42,7540 4596.42,7666.5
NetQ1_6,5 on Top Layer "NETQ1_6,5_L01_P379" (solid, pour order 379): 4730,7265 4735,7270 4735,7370 4730,7375 4550,7375 4545,7370 4545,7270 4550,7265
5V on Top Layer "5V_L01_P380" (solid, pour order 380): 4195,7840 4195,7700 4190,7695 4145,7695 4140,7690 4140,7555 4145,7550 4230,7550 4235,7555 4235,7840
PGND on Top Layer "PGND_L01_P381" (solid, pour order 381): 4245,7555 4250,7550 4335,7550 4340,7550 4355,7565 4405,7565 4410,7570 4410,7605 4375,7640 4375,7720 4350,7745 4350,7840 4305,7840 4295,7830 4295,7700 4290,7695 4250,7695 4245,7690
NetC55_2 on Top Layer "NETC55_2_L01_P384" (solid, pour order 384): 4530,7280 4535,7285 4535,7425 4530,7430 4415,7430 4410,7435 4410,7530 4350,7530 4350,7280
NetL1_2 on Top Layer "NETL1_2_L01_P385" (solid, pour order 385): 4330,7280 4335,7285 4335,7535 4330,7540 4145,7540 4140,7535 4140,7320 4180,7280
3V3 on Layer 3 "3V3_L04_P422" (solid, pour order 422): 2657,8092.5 2667,8082.5 4155,8082.5 4107.5,8035 4107.5,7402 4092,7386.5 2668,7386.5
2V2 on Layer 3 "2V2_L04_P455" (solid, pour order 455): 3781,5929.5 3784.5,6146.29 2773.5,6146.29 2769,7044 2763,7050 2493,7050 2493,5923.71
5V on Layer 3 "5V_L04_P421" (solid, pour order 421): 3362,7364 3103,7364 3103,6170 4293,6170 4293,6297 3362,6297
NetC55_2 on Layer 3 "NETC55_2_L04_P408" (solid, pour order 408): 4595,6505 4595,6334 3378.03,6334 3378.03,7384 4416.73,7384 4416.73,7430.24 4535,7429.74 4535,7384 4535,7050 3650,7050 3650,6505
NetU11_9 on Bottom Layer "NETU11_9_L06_P399" (solid, pour order 399): 4310,6455 4310,6450 4355,6405 4460,6405 4485,6380 4485,6045 4465,6025 4335,6025 4335,6120 4075,6380 4010,6445 4010,6485 4030,6505 4280,6505 4310,6475
PGND on Layer 1 "PGND_L02_P401" (solid, pour order 401): 1615.75,8090.55 ccw(c1615.75,7990.55) 1515.75,7990.55 1515.75,6025.2 ccw(c1615.75,6025.2) 1615.75,5925.2 4724.41,5925.2 ccw(c4724.41,6023.62) 4822.83,6023.62 4822.83,7992.13 ccw(c4724.41,7992.13) 4724.41,8090.55
AGND on Layer 4 "AGND_L05_P404" (solid, pour order 404): 1615.75,8090.55 ccw(c1615.75,7990.55) 1515.75,7990.55 1515.75,6025.2 ccw(c1615.75,6025.2) 1615.75,5925.2 4724.41,5925.2 ccw(c4724.41,6023.62) 4822.83,6023.62 4822.83,7992.13 ccw(c4724.41,7992.13) 4724.41,8090.55

## Silkscreen, mask and mechanical layers (free items; w line width, h text height)
Top Overlay:
  text "LASER  / INTERLOCK" at 2307,5957 h60
Bottom Overlay:
  region: 423 vertices and 0 holes, not listed, extent 2325.72,6001.36 2730.69,6259.07
  text "Beacon Board / V2.1 / NGB / 12/7/22" at 2563,7517 h60
Board Shape:
  the board outline again, w10

## Dimensions
1633.86,7972.44 to 1633.86,6043.31 on Mechanical 1
3917.32,7972.44 to 1633.86,7957.44 on Mechanical 1
4842.52,7992.13 to 1496.06,7992.13 on Mechanical 1
1614.17,8110.24 to 1614.17,5905.51 on Mechanical 1